# KiCad board d-lev-main-rounded.kicad_pcb (continued)
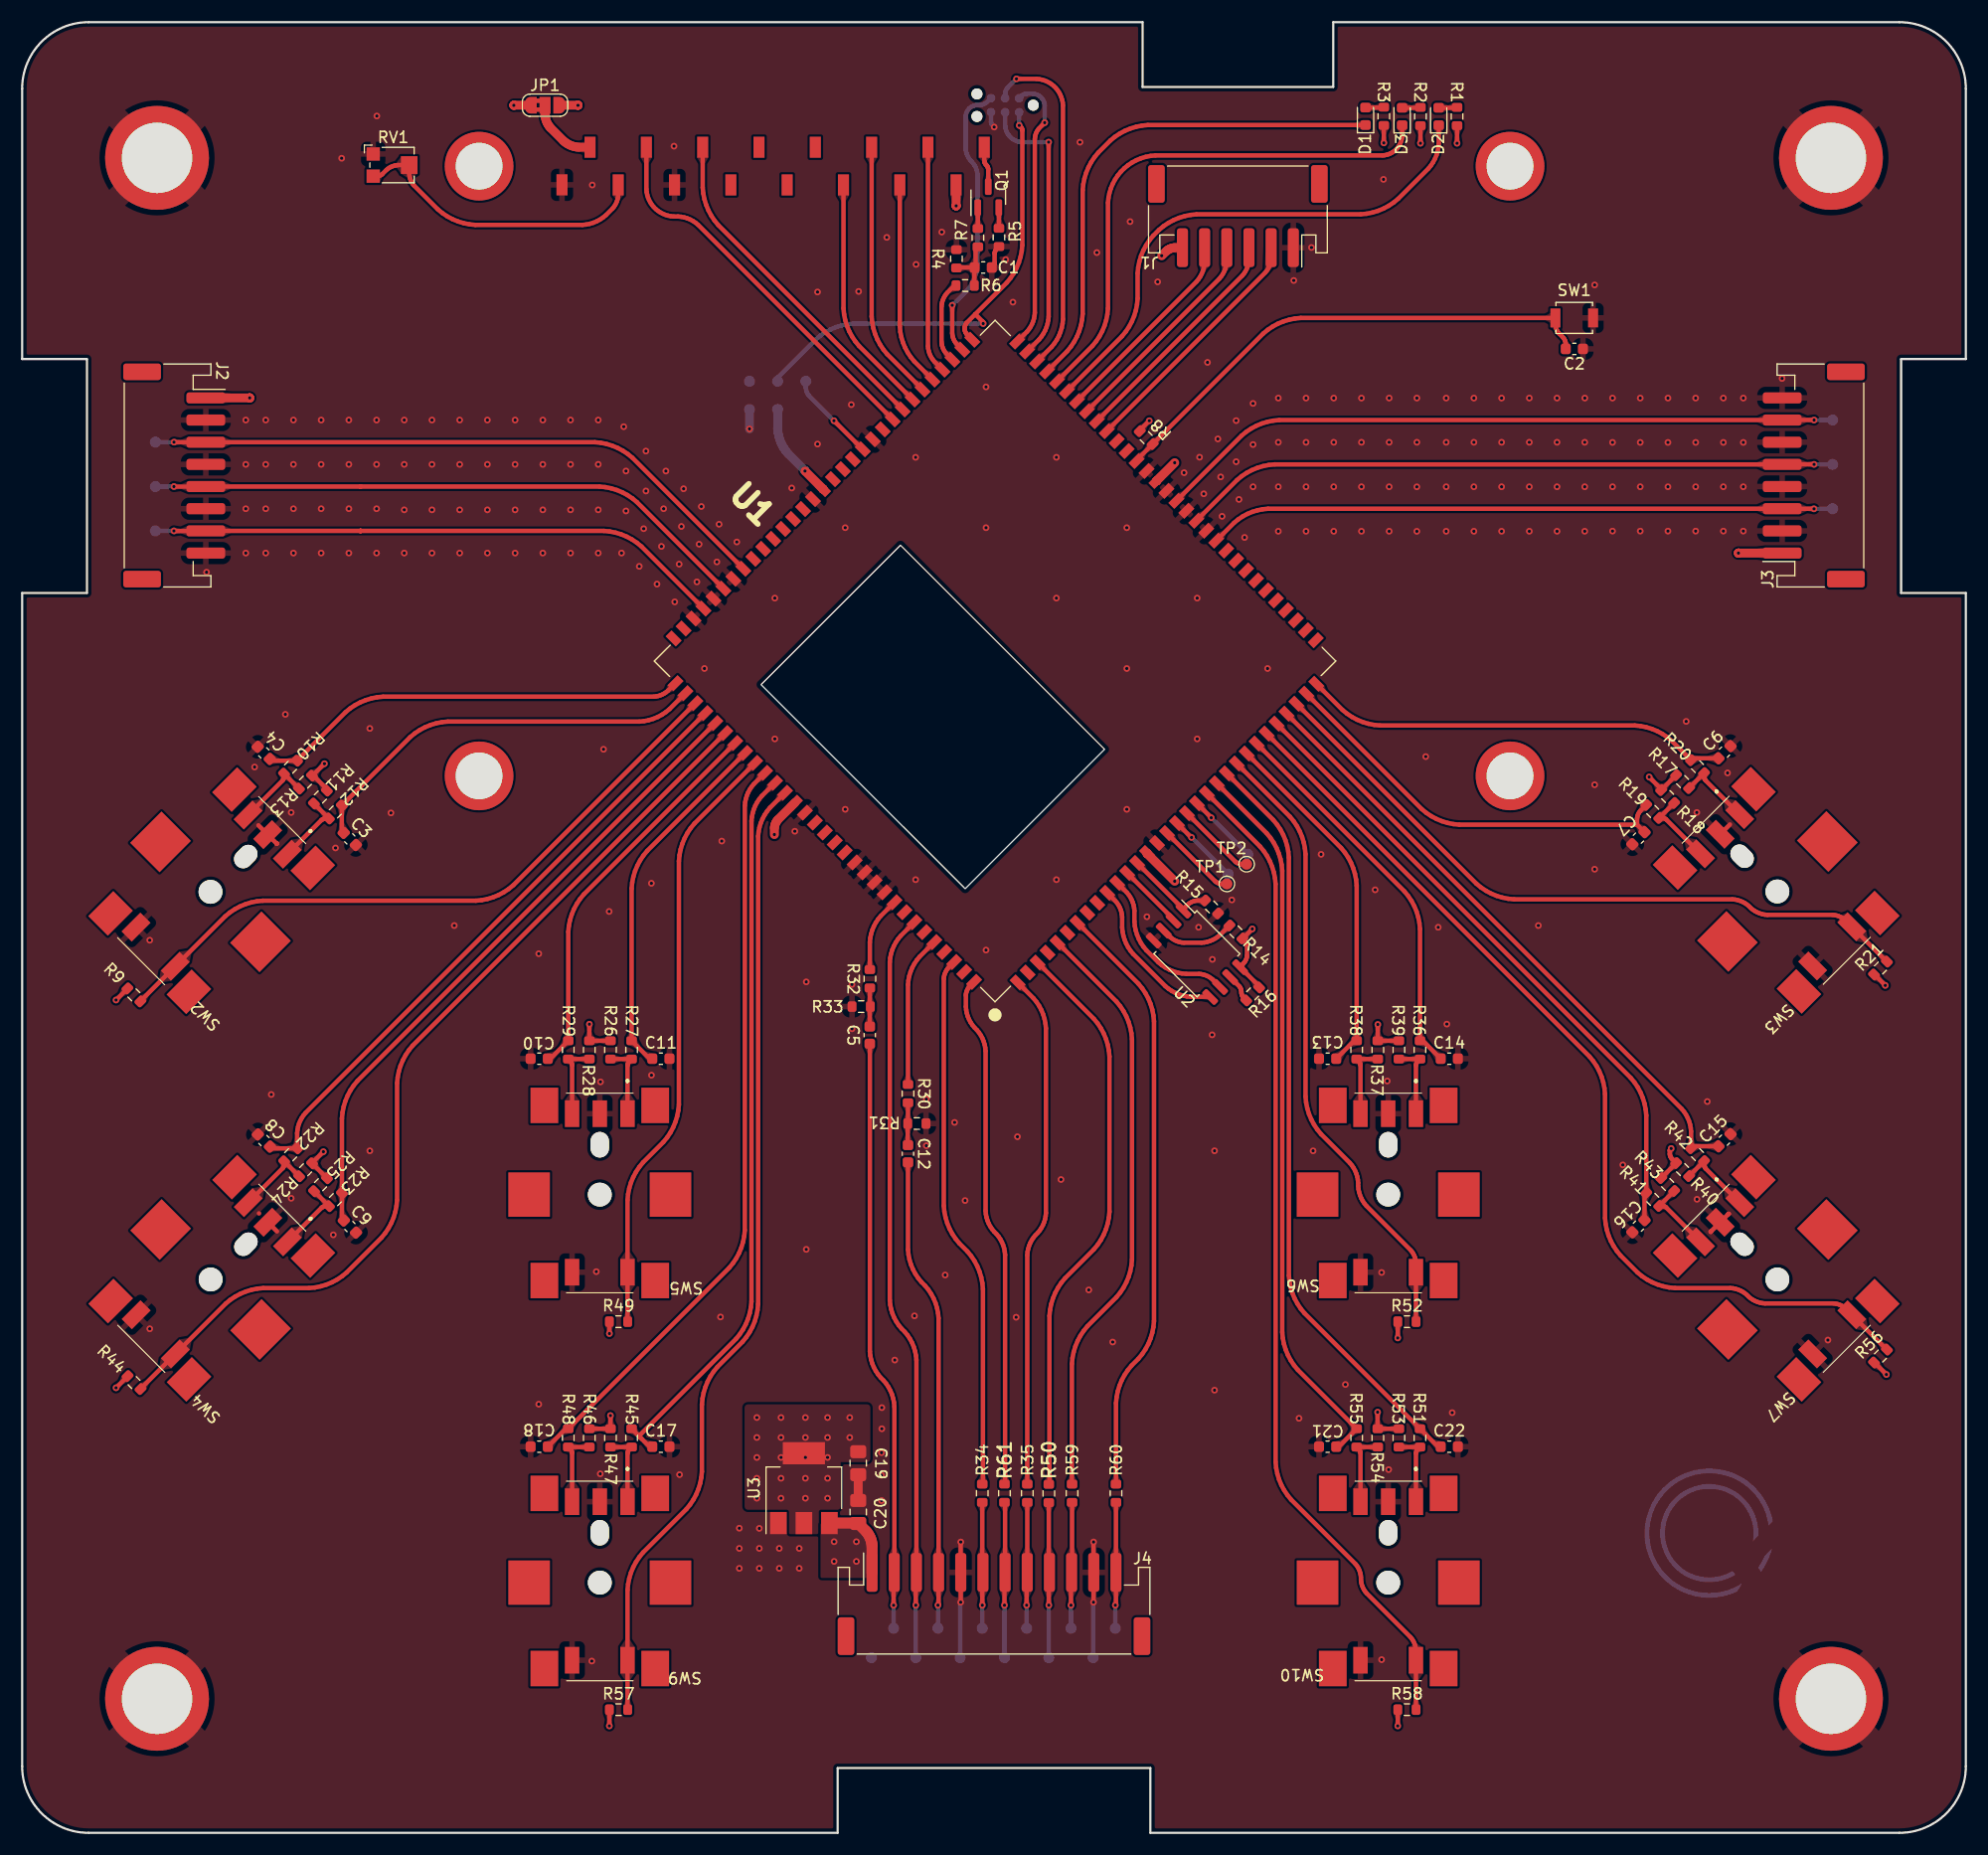
[diagram p0: board, top side]
## Routing (per net, layer and track width the routed paths; a pad name or vN(x,y) marks a point on that pad's centre or on a via; arc(x,y) is an arc through that point) (continued)
/FPGA/tuner.le: length 21.2
  Top w0.4: 96.94,127.34 110.07,140.47 110.21,140.65 110.34,140.84 110.45,141.04 110.53,141.25 110.6,141.47 110.64,141.69 110.67,141.92 J1.3
/FPGA/tuner.oe: length 22.6
  Top w0.4: 97.83,126.44 112.13,140.74 112.26,140.9 112.37,141.06 112.47,141.24 112.55,141.43 112.61,141.63 112.65,141.83 112.67,142.03 J1.2
/FPGA/tuner.scl: length 18.5
  Top w0.4: 95.14,129.13 105.94,139.93 106.12,140.15 106.27,140.38 106.4,140.62 106.51,140.88 106.59,141.14 106.64,141.41 106.67,141.69 J1.5
/FPGA/tuner.sda: length 19.9
  Top w0.4: J1.4 108.67,141.8 108.64,141.55 108.59,141.3 108.52,141.06 108.42,140.83 108.3,140.61 108.16,140.4 108,140.2 96.04,128.24
/FPGA/vol.quad: length 56.6
  Top w0.4: v1(161.64,119.43) 161.62,119.44 J3.3 112.39,119.44 111.91,119.39 111.43,119.3 110.97,119.16 110.52,118.97 110.1,118.75 109.7,118.48 109.32,118.17 107.71,116.56
  Bottom w0.4: TP24.1 163.3,119.43 v1(161.64,119.43)
/FPGA/vol.sq: length 59.3
  Top w0.4: 158.77,123.45 161.63,123.45 161.64,123.45 v1(161.64,123.44) ; J3.5 112.99,123.44 112.45,123.39 111.93,123.28 111.42,123.13 110.92,122.93 110.45,122.67 110.01,122.38 109.6,122.04 105.92,118.36
  Bottom w0.4: v1(161.64,123.44) TP23.1
/FPGA/vol.zero: length 62
  Top w0.4: 104.12,120.15 110,126.04 110.42,126.38 110.86,126.67 111.33,126.93 111.83,127.13 112.34,127.28 112.86,127.39 113.39,127.44 J3.7 ; v1(161.64,127.44) 161.63,127.45 158.77,127.45
  Bottom w0.4: v1(161.64,127.44) TP22.1
/FPGA/~{reset}: length 45.8
  Top w0.4: 100.53,123.82 111.96,135.25 112.37,135.59 112.81,135.88 113.28,136.14 113.78,136.34 114.29,136.5 114.81,136.6 115.35,136.65 137.99,136.65 138.14,136.59 138.25,136.48 138.31,136.33 138.31,136.05 138.32,135.93 138.35,135.8 138.38,135.68 138.43,135.56 138.49,135.45 138.56,135.35 138.64,135.25 139,134.89 139.06,134.82 139.11,134.74 139.15,134.66 139.19,134.57 139.22,134.48 139.23,134.39 139.24,134.3 139.24,133.86
/LCD/backlight_cathode: length 3.7
  Top w0.4: 86.79,152.05 86.79,150.85 86.79,150.79 86.81,150.73 86.82,150.67 86.85,150.62 86.88,150.57 86.91,150.51 86.95,150.47 86.99,150.43 87.03,150.38 87.06,150.33 87.09,150.27 87.11,150.22 87.13,150.16 87.14,150.1 87.15,150.04 87.15,148.49
/LCD/VLCD: length 6.4
  Top w0.8: 51.23,152.05 50.21,152.05 49.99,152.07 49.78,152.11 49.58,152.18 49.38,152.26 49.19,152.36 49.01,152.48 48.84,152.62 47.65,153.81 47.53,153.95 47.43,154.1 47.34,154.27 47.27,154.44 47.22,154.61 47.19,154.79 47.17,154.97 JP1.2
/spdif_tx_0: length 13.7
  Top w0.4: U1.120 80.95,79.03 80.7,78.72 80.48,78.39 80.29,78.04 80.14,77.67 80.02,77.29 79.94,76.9 79.91,76.5 R30.1
/spdif_tx_1: length 6.9
  Top w0.4: 76.47,77.82 76.47,80.34 76.5,80.71 76.58,81.08 76.68,81.43 76.83,81.78 77,82.11 77.21,82.42 77.45,82.7 78.69,83.95
acal_btn: length 51.2
  Top w0.4: 92.67,31.49 92.67,46.64 92.72,47.17 92.82,47.69 92.98,48.2 93.18,48.7 93.44,49.17 93.73,49.61 94.07,50.03 96.68,52.63 97.02,53.04 97.31,53.49 97.56,53.96 97.77,54.45 97.92,54.97 98.03,55.49 98.08,56.02 98.08,70.04 98.03,70.57 97.92,71.09 97.77,71.6 97.56,72.1 97.31,72.57 97.02,73.01 96.68,73.43 91.6,78.51
midi_in: length 54.2
  Top w0.4: U1.7 100.69,76.59 101.03,76.18 101.33,75.74 101.58,75.26 101.79,74.77 101.94,74.26 102.05,73.73 102.1,73.2 102.1,46.16 102.05,45.63 101.94,45.1 101.79,44.59 101.58,44.1 101.33,43.63 101.03,43.18 100.69,42.77 100.07,42.15 99.74,41.74 99.44,41.29 99.19,40.82 98.98,40.33 98.83,39.81 98.72,39.29 98.67,38.76 R60.2
midi_out: length 53.2
  Top w0.4: 93.39,80.3 98.71,74.99 99.05,74.57 99.34,74.13 99.6,73.66 99.8,73.16 99.96,72.65 100.06,72.13 100.11,71.6 100.11,51.7 100.06,51.17 99.96,50.65 99.8,50.14 99.6,49.64 99.34,49.17 99.05,48.73 98.71,48.31 96.1,45.7 95.76,45.29 95.46,44.84 95.21,44.37 95,43.88 94.85,43.37 94.75,42.84 94.69,42.31 94.69,31.47
mute_btn: length 46.5
  Top w0.4: U1.124 85.46,76.34 85.38,76.25 85.31,76.14 85.25,76.03 85.2,75.92 85.16,75.8 85.14,75.68 85.13,75.55 85.13,74.52 85.16,74.23 85.21,73.93 85.3,73.65 85.42,73.37 85.56,73.11 85.72,72.86 85.91,72.63 86.12,72.42 86.31,72.19 86.48,71.94 86.62,71.68 86.73,71.4 86.82,71.12 86.88,70.83 86.91,70.53 86.91,56.1 86.93,55.8 86.99,55.51 87.08,55.23 87.19,54.96 87.33,54.7 87.49,54.45 87.68,54.22 87.89,54.02 88.08,53.79 88.24,53.54 88.38,53.28 88.49,53.01 88.58,52.72 88.64,52.43 88.67,52.14 88.67,31.52
mute_led: length 67.7
  Top w0.4: J4.3 80.67,42.65 80.63,43.05 80.55,43.44 80.43,43.83 80.28,44.2 80.09,44.55 79.86,44.89 79.61,45.2 79.32,45.48 79.07,45.8 78.85,46.13 78.66,46.48 78.5,46.86 78.39,47.24 78.31,47.64 78.27,48.04 78.27,78.55 78.3,78.92 78.38,79.29 78.48,79.64 78.63,79.98 78.8,80.31 79.01,80.62 79.24,80.91 U1.118 ; v1(80.61,20.53) 80.61,23.43
  Bottom w0.4: v1(80.61,20.53) TP12.1
spdif_line: length 42.8
  Top w0.4: v1(82.61,20.53) 82.64,20.56 82.65,20.58 82.66,20.6 82.67,20.61 82.67,20.62 J4.4 82.67,46.42 82.62,46.88 82.53,47.33 82.4,47.78 82.22,48.2 82,48.61 81.74,49 81.45,49.35 81.12,49.68 80.83,50.04 80.57,50.43 80.35,50.83 80.18,51.26 80.04,51.7 79.95,52.16 79.91,52.62 C12.2
  Bottom w0.4: v1(82.61,20.53) TP13.1
spdif_mon: length 53.2
  Top w0.4: 76.47,71.17 76.47,43.42 76.51,43.05 76.58,42.69 76.69,42.33 76.83,41.99 77,41.66 77.21,41.35 77.44,41.07 77.71,40.8 77.94,40.52 78.15,40.21 78.32,39.88 78.46,39.54 78.57,39.19 78.64,38.82 78.68,38.45 78.68,23.51 ; v1(78.61,20.53) 78.61,23.44
  Bottom w0.4: v1(78.61,20.53) TP11.1
uart_rx: length 46.6
  Top w0.4: 89.8,76.71 91.23,75.28 91.5,74.95 91.74,74.6 91.94,74.22 92.1,73.82 92.23,73.42 92.31,73 92.35,72.57 92.35,55.91 92.32,55.63 92.27,55.35 92.19,55.08 92.08,54.82 91.95,54.57 91.79,54.34 91.61,54.12 91.41,53.92 91.23,53.7 91.07,53.46 90.94,53.22 90.83,52.95 90.75,52.68 90.69,52.41 90.67,52.13 90.67,31.46
uart_tx: length 48.4
  Top w0.4: 86.67,31.52 86.67,49.06 86.61,49.59 86.51,50.12 86.36,50.63 86.15,51.12 85.9,51.59 85.6,52.04 85.26,52.45 84.54,53.17 84.2,53.59 83.9,54.03 83.65,54.5 83.45,55 83.29,55.51 83.19,56.03 83.14,56.57 83.14,77.03 83.15,77.19 83.18,77.34 83.23,77.49 83.29,77.64 83.36,77.78 83.45,77.91 83.55,78.03 U1.122
Net-(C1-Pad1): length 5
  Top w0.4: C1.1 84.32,141.2 ; R7.1 86.1,142.95 86.07,142.93 86.05,142.9 86.04,142.87 86.03,142.84 86.02,142.8 86.01,142.77 86.01,142.74 86.01,141.29 ; R6.2 85.89,141.17
Net-(C5-Pad1): length 3.4
  Top w0.4: 76.47,74.67 76.47,76.27 ; C5.1 76.46,74.48
Net-(C12-Pad1): length 3.8
  Top w0.4: R31.2 79.88,62.05 ; R30.2 79.91,64
Net-(D1-A): length 1.6
  Top w0.4: D1.2 122.8,155.63
Net-(D2-A): length 1.6
  Top w0.4: 127.79,155.61 129.4,155.61
Net-(D3-A): length 1.6
  Top w0.4: 124.48,155.61 126.1,155.61
Net-(DS1-V0): length 27.2
  Top w0.4: RV1.3 32.02,149.44 32.09,149.45 32.17,149.46 32.24,149.49 32.31,149.51 32.37,149.55 32.44,149.59 32.49,149.64 32.86,150 32.99,150.11 33.13,150.2 33.27,150.28 33.43,150.34 33.59,150.39 33.75,150.43 33.92,150.44 34.66,150.44 34.92,150.18 34.92,149.65 34.93,149.48 34.97,149.32 35.02,149.16 35.08,149 35.16,148.85 35.25,148.71 35.36,148.58 37.49,146.45 37.91,146.11 38.35,145.81 38.82,145.56 39.32,145.36 39.83,145.2 40.35,145.1 40.89,145.04 50.53,145.04 50.87,145.08 51.19,145.14 51.51,145.24 51.82,145.37 52.12,145.52 52.4,145.71 52.65,145.92 53.26,146.53 53.39,146.68 53.49,146.84 53.58,147.01 53.66,147.19 53.71,147.37 53.75,147.56 53.77,147.75 53.77,148.65
Net-(J4-Pin_6): length 11.2
  Top w0.4: v1(86.61,20.53) 86.61,23.44 ; R34.1 86.61,23.55
  Bottom w0.4: v1(86.61,20.53) TP15.1
Net-(J4-Pin_7): length 13.9
  Top w0.4: v1(88.61,20.53) 88.61,23.44 ; 88.67,29.76 J4.7
  Bottom w0.4: v1(88.61,20.53) TP16.1
Net-(J4-Pin_8): length 11.3
  Top w0.4: R35.1 90.67,23.5 ; v1(90.61,20.53) 90.61,23.44
  Bottom w0.4: v1(90.61,20.53) TP17.1
Net-(J4-Pin_9): length 13.9
  Top w0.4: v1(92.61,20.53) 92.61,23.44 ; R50.1 92.61,23.55
  Bottom w0.4: v1(92.61,20.53) TP18.1
Net-(J4-Pin_10): length 11.3
  Top w0.4: 94.71,23.53 R59.1 ; v1(94.61,20.53) 94.61,23.43
  Bottom w0.4: v1(94.61,20.53) TP19.1
Net-(J4-Pin_12): length 11.4
  Top w0.4: 98.67,29.8 J4.12 98.67,20.62 98.66,20.6 98.66,20.59 98.65,20.57 98.64,20.56 v1(98.61,20.53)
  Bottom w0.4: v1(98.61,20.53) 98.61,18.46 TP21.1
Net-(Q1-B): length 1.9
  Top w0.4: 86.21,144.72 86.21,146.6
Net-(Q1-E): length 1.9
  Top w0.4: 88.11,144.74 88.11,146.6
Net-(U1-VDD1.2): length 8.2
  Top w0.4: 75.81,124.81 73.23,127.38
  Bottom w0.4: 70.69,130.94 70.69,130.37 70.7,130.25 70.72,130.13 70.76,130.02 70.81,129.9 70.86,129.8 70.93,129.7 71.01,129.6 73.23,127.38
  vias: v1(73.23,127.38)
Net-(U2-~{HOLD}): length 2.7
  Top w0.4: R16.1 110.17,75.33 110.13,75.39 110.09,75.45 110.05,75.51 110.03,75.58 110,75.65 109.99,75.72 109.98,75.8 109.98,75.89 109.98,75.96 109.96,76.04 109.94,76.11 109.91,76.18 109.87,76.25 109.83,76.32 109.78,76.38 108.95,77.21
Net-(U2-~{WP}): length 7
  Top w0.4: 102.89,81.47 103.55,80.81 103.7,80.69 103.87,80.58 104.04,80.48 104.22,80.41 104.41,80.35 104.61,80.31 104.81,80.29 106.38,80.29 106.64,80.32 106.9,80.37 107.15,80.44 107.39,80.54 107.62,80.67 107.84,80.81 108.04,80.98 R14.1

## Copper pours and planes (outline as drawn; the poured copper is in the pictures)
+3V3 on Top: 65.17,38.66 76.52,38.66 76.52,33.44 73.84,33.44 73.84,29.14 72.07,29.14 72.07,26.94 68.97,26.94 68.97,28.94 68.77,29.14 65.17,29.14
+3V3 on In2.Cu: -2.93,177.09 185.03,177.09 185.03,-10.87 -2.93,-10.87
GND on Top, In1.Cu: -2.93,177.09 185.03,177.09 185.03,-10.87 -2.93,-10.87
VDD on Top: 72.02,27.94 72.02,22.99 76.16,22.99 76.67,23.49 76.67,27.38 76.1,27.94
VDD on Bottom: -2.93,177.09 185.03,177.09 185.03,-10.87 -2.93,-10.87

Small or netless copper shapes (teardrops, artwork), in the pictures only: 393 on Top, 56 on Bottom
